# KiCad board cpu2.kicad_pcb (continued)
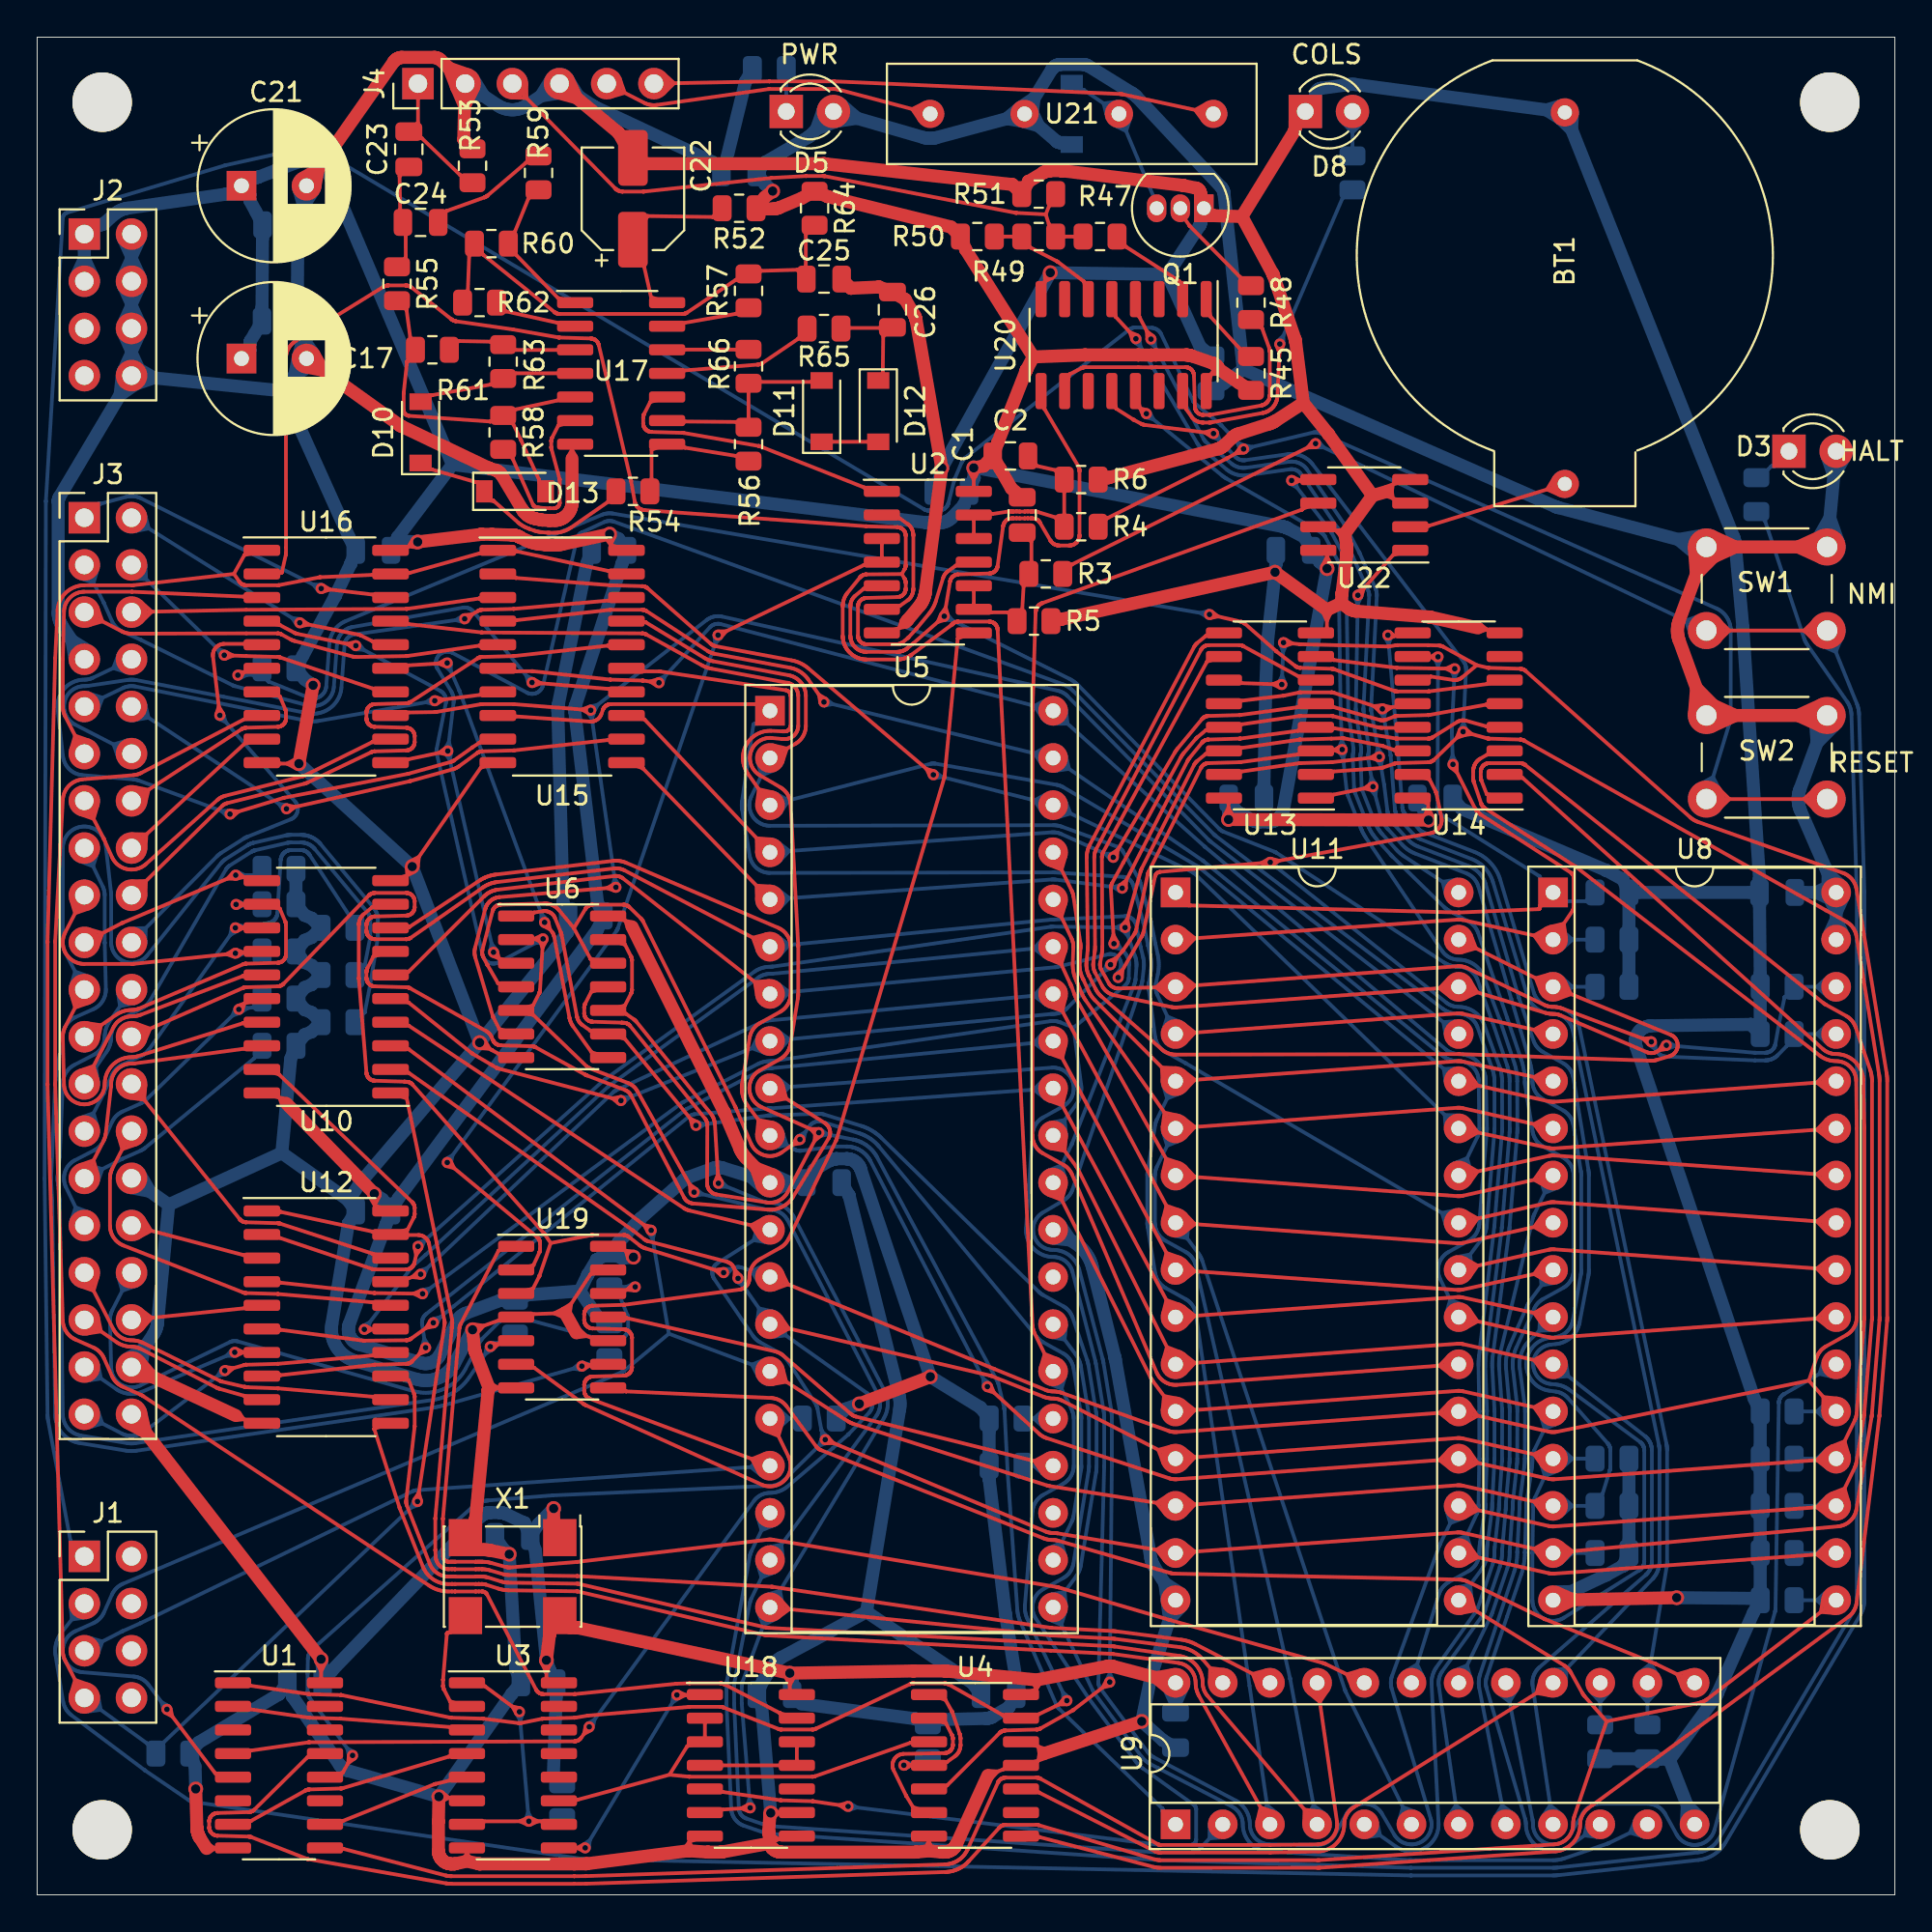
[diagram p0: board, top side]
## Routing (per net, layer and track width the routed paths; a pad name or vN(x,y) marks a point on that pad's centre or on a via; arc(x,y) is an arc through that point) (continued)
D1: length 225.2
  Top w0.2: U13.1 69.8,59.23 v2(71.91,59.65) ; U8.14 76.76,22.02 76.72,22.03 76.68,22.04 76.64,22.04 76.6,22.05 76.56,22.05 76.52,22.05 76.48,22.05 76.44,22.05 U11.14 54.52,22 54.49,22.01 54.46,22.01 54.43,22.02 54.41,22.03 54.38,22.03 54.35,22.04 43.92,25.36 ; 32.88,35.67 32.67,36.06 33.1,35.97 ; 6.89,9.81 7.28,9.6 7.18,10.03 ; 59.22,83.95 58.82,84.12 58.96,83.7 ; v2(59.15,83.77) 58.07,84.93 58.06,84.94 U20.5 ; 60.73,20.5 60.25,21.1 60.89,21.52 ; v2(33.05,35.77) 20.01,45.51 20,45.52 U10.3 ; 43.92,25.36 43.88,25.38 43.84,25.39 43.8,25.41 43.76,25.43 43.73,25.44 43.69,25.47 43.65,25.49 U5.15 ; 71.86,59.46 71.44,59.56 71.79,59.82 ; 81.03,20.54 80.59,21.17 81.25,21.55 ; 61.71,21.49 62.32,21.02 61.79,20.46 ; U1.5 9.58,6.55 9.58,6.55 v2(6.99,9.99) ; 39.57,27.49 40.32,27.62 40.12,28.36
  Bottom w0.2: 34,30.21 31.61,28.22 31.59,28.21 31.55,28.18 31.52,28.16 31.51,28.16 31.46,28.13 4.63,16.75 4.57,16.72 4.52,16.7 4.47,16.67 4.42,16.64 4.38,16.6 4.33,16.57 4.29,16.53 4.25,16.49 4.21,16.44 4.17,16.4 4.14,16.35 4.1,16.31 4.07,16.26 4.05,16.2 4.02,16.15 3.6,15.21 3.57,15.15 3.54,15.1 3.51,15.05 3.48,15 3.44,14.95 3.4,14.9 3.36,14.86 3.32,14.82 3.27,14.78 3.22,14.74 3.17,14.71 3.12,14.68 3.07,14.65 3.01,14.62 2.07,14.2 2,14.17 1.94,14.13 1.88,14.1 1.82,14.05 1.77,14.01 1.72,13.96 1.67,13.91 1.62,13.85 1.58,13.79 1.54,13.73 1.51,13.67 1.48,13.61 1.45,13.54 1.43,13.47 1.41,13.41 1.4,13.34 1.39,13.27 1.38,13.19 1.38,13.12 1.38,13.05 1.39,12.98 1.4,12.91 1.42,12.84 1.44,12.77 1.46,12.71 1.49,12.64 1.53,12.58 1.56,12.52 1.6,12.46 1.65,12.4 1.69,12.35 1.74,12.3 1.8,12.25 1.85,12.21 1.91,12.17 1.97,12.13 2.03,12.1 2.1,12.07 2.17,12.04 2.23,12.02 2.3,12 2.37,11.99 2.44,11.98 5.18,11.76 5.24,11.75 5.3,11.74 5.36,11.73 5.42,11.71 5.48,11.69 5.53,11.67 5.59,11.64 5.64,11.61 5.7,11.58 5.75,11.55 5.8,11.51 5.84,11.47 5.89,11.43 5.93,11.39 5.97,11.34 6.01,11.29 v2(6.99,9.99) ; 34,30.21 v2(33.05,35.77) ; 34,30.21 U5.15 ; 71.71,59.71 71.83,60.13 72.07,59.77 ; 59.35,83.79 59.39,83.35 59.03,83.6 ; 72.1,59.62 72.03,59.19 71.75,59.53 ; v2(59.15,83.77) 62.44,78.15 62.46,78.11 62.48,78.08 62.51,78.05 62.53,78.02 62.56,77.99 62.58,77.96 62.61,77.94 62.64,77.91 62.66,77.88 64.02,76.74 64.08,76.69 64.14,76.65 64.2,76.61 64.27,76.57 64.33,76.54 64.4,76.51 64.47,76.48 64.54,76.46 64.62,76.44 64.69,76.42 64.77,76.41 64.84,76.41 64.92,76.4 64.99,76.4 65.07,76.41 65.14,76.42 67.44,76.74 67.47,76.74 67.51,76.75 67.54,76.75 67.58,76.74 67.61,76.74 67.64,76.73 67.68,76.73 67.71,76.72 67.74,76.71 67.77,76.69 67.8,76.68 67.83,76.66 67.86,76.65 67.89,76.63 67.92,76.6 67.94,76.58 67.97,76.56 67.99,76.53 68.01,76.51 68.03,76.48 69.98,73.61 70,73.59 70.01,73.57 70.02,73.55 70.03,73.53 70.05,73.51 70.79,72.11 70.8,72.09 70.82,72.04 70.83,72.02 71.65,70.21 71.66,70.18 71.67,70.16 71.68,70.13 71.69,70.11 71.69,70.08 71.7,70.06 71.7,70.03 71.7,70 71.7,69.98 71.7,69.95 71.7,69.93 71.4,63.89 71.39,63.86 71.39,63.82 71.4,63.79 71.4,63.76 71.4,63.73 71.4,63.69 71.67,61.85 71.67,61.8 71.68,61.74 71.68,61.68 71.68,61.62 71.68,61.56 71.67,61.51 71.67,61.45 71.66,61.39 71.65,61.35 71.65,61.33 71.64,61.3 71.64,61.28 71.64,61.25 71.64,61.23 71.65,61.21 71.65,61.18 71.65,61.16 v2(71.91,59.65) 72.32,58.1 72.33,58.08 72.34,58.04 72.35,57.99 72.37,57.95 72.38,57.91 72.4,57.87 72.42,57.83 72.44,57.79 72.46,57.75 72.48,57.71 72.5,57.67 72.52,57.63 72.54,57.59 72.57,57.56 72.6,57.52 72.62,57.49 72.64,57.46 72.67,57.43 72.69,57.4 72.72,57.37 73.46,56.55 73.52,56.48 73.59,56.42 73.66,56.36 73.73,56.31 73.8,56.25 73.88,56.2 73.95,56.16 74.03,56.12 74.12,56.08 74.2,56.04 76.92,55 76.97,54.97 77.03,54.95 77.08,54.92 77.13,54.89 77.18,54.85 77.23,54.81 77.27,54.78 77.32,54.73 77.36,54.69 77.4,54.64 77.43,54.59 77.46,54.54 77.49,54.49 77.52,54.44 77.55,54.38 77.57,54.33 77.59,54.27 79.35,48.22 79.36,48.22 80.33,44.93 80.37,44.79 80.4,44.65 80.43,44.51 80.45,44.37 80.47,44.23 80.48,44.09 80.49,43.94 80.49,43.8 80.49,43.74 80.5,43.68 80.51,43.61 80.52,43.55 80.53,43.49 80.55,43.43 80.58,43.38 80.6,43.32 80.63,43.27 80.66,43.21 80.69,43.16 80.73,43.11 80.77,43.06 80.81,43.02 80.86,42.98 80.91,42.93 80.96,42.9 81.01,42.86 81.06,42.83 82.14,42.23 82.19,42.2 82.24,42.17 82.29,42.13 82.33,42.09 82.38,42.05 82.42,42.01 82.45,41.97 82.49,41.92 82.52,41.87 82.56,41.82 82.58,41.77 82.61,41.72 82.63,41.67 82.65,41.61 82.67,41.55 82.68,41.5 82.7,41.44 83.1,38.97 83.11,38.92 83.11,38.88 83.12,38.84 83.12,38.8 83.12,38.76 83.12,38.72 83.12,33.64 83.12,33.6 83.12,33.55 83.11,33.51 83.11,33.46 83.1,33.42 83.1,33.38 82.66,30.91 82.65,30.85 82.64,30.79 82.62,30.73 82.59,30.68 82.57,30.62 82.54,30.57 82.51,30.51 82.47,30.46 82.43,30.41 82.39,30.37 82.35,30.32 82.3,30.28 82.26,30.24 82.21,30.21 82.15,30.17 82.1,30.14 82.04,30.12 81.99,30.09 81.93,30.07 81.87,30.05 81.81,30.04 81.75,30.03 81.4,29.98 81.31,29.97 81.23,29.95 81.14,29.92 81.06,29.89 80.98,29.85 80.9,29.81 80.82,29.77 80.75,29.72 80.68,29.66 80.61,29.6 80.55,29.54 80.49,29.47 80.43,29.4 80.38,29.32 80.34,29.25 80.3,29.17 80.26,29.08 80.23,29 80.21,28.91 80.19,28.83 80.18,28.74 80.17,28.65 80.16,28.56 80.17,28.47 80.18,28.38 80.19,28.29 80.21,28.21 80.23,28.12 80.26,28.04 80.3,27.95 80.34,27.87 80.38,27.8 80.43,27.72 80.49,27.65 80.55,27.58 80.61,27.52 80.68,27.46 80.75,27.4 80.82,27.35 80.9,27.31 80.98,27.27 81.06,27.23 81.14,27.2 81.23,27.17 81.31,27.15 81.4,27.14 81.75,27.09 81.8,27.08 81.86,27.07 81.91,27.05 81.96,27.04 82.01,27.02 82.06,27 82.11,26.97 82.16,26.94 82.21,26.91 82.25,26.88 82.29,26.85 82.34,26.81 82.37,26.77 82.41,26.73 84.55,24.3 84.57,24.27 84.6,24.23 84.62,24.2 84.62,24.19 84.65,24.14 84.66,24.11 84.66,24.1 84.67,24.05 84.68,24.02 84.68,24 84.69,23.95 84.69,23.93 84.69,23.03 84.68,23 84.68,22.95 84.68,22.92 84.67,22.91 84.66,22.85 84.27,21.6 84.27,21.59 R30.1 U8.14 ; 7.08,10.16 6.7,10.37 6.79,9.94 ; 38.83,27.86 38.47,28.54 39.19,28.83 ; 82.07,21.46 82.64,20.94 82.07,20.42 ; 33.25,35.72 33.13,35.3 32.89,35.66
D2: length 251.6
  Top w0.2: 38.87,35.4 38.44,36.04 39.11,36.41 ; 61.71,18.95 62.32,18.48 61.79,17.92 ; 42.43,24.3 42.87,24.32 42.57,24.64 ; 80.03,62.14 80.05,62.13 96.3,52.99 96.3,52.99 97.38,52.39 97.43,52.36 97.48,52.33 97.53,52.29 97.57,52.26 97.61,52.22 97.66,52.17 97.69,52.13 97.73,52.08 97.76,52.03 97.8,51.98 97.82,51.93 97.85,51.88 97.87,51.83 97.89,51.77 97.91,51.71 97.92,51.66 97.94,51.6 99.15,44.18 99.16,44.12 99.17,44.05 99.17,43.99 99.18,43.93 99.18,43.86 99.18,43.8 99.18,31.1 99.18,31.06 99.18,31.02 99.18,30.99 99.18,30.95 99.17,30.91 98.76,25.86 98.76,25.83 98.76,25.8 98.75,25.77 98.75,25.74 98.75,25.71 97.94,20.76 97.92,20.7 97.91,20.64 97.89,20.58 97.87,20.52 97.84,20.46 97.81,20.4 97.78,20.35 97.74,20.3 97.71,20.24 97.66,20.2 97.62,20.15 97.57,20.11 97.53,20.07 97.47,20.03 97.42,19.99 97.37,19.96 97.31,19.93 97.25,19.91 97.19,19.89 97.13,19.87 97.07,19.85 97.01,19.84 96.94,19.83 U8.15 76.76,19.48 76.72,19.49 76.68,19.5 76.64,19.5 76.6,19.51 76.56,19.51 76.52,19.51 76.48,19.51 76.44,19.51 U11.15 54.93,19.46 54.89,19.47 54.85,19.47 54.81,19.47 54.77,19.48 54.73,19.48 54.69,19.48 54.64,19.48 54.59,19.48 54.55,19.49 54.5,19.5 54.45,19.5 54.41,19.52 54.36,19.53 54.32,19.54 54.27,19.56 v2(42.42,24.5) ; 76.83,62.43 76.41,62.28 76.57,62.69 ; 39.45,35.8 35.13,36.83 35.09,36.84 35.05,36.85 35.01,36.87 34.98,36.88 34.94,36.9 34.9,36.91 34.87,36.93 34.83,36.95 34.8,36.97 20.01,46.78 20,46.79 U10.4 ; v2(63.32,78.66) 59.64,79.12 59.61,79.13 59.59,79.13 59.56,79.14 59.54,79.14 59.52,79.15 59.49,79.16 59.47,79.17 59.45,79.18 59.42,79.19 59.05,79.39 59.02,79.41 59,79.42 58.09,80 58.09,80 U20.12 ; 17.09,7.34 16.74,7.09 16.78,7.52 ; 82.02,18.96 82.64,18.5 82.12,17.93 ; 60.73,17.97 60.25,18.57 60.9,18.99 ; 81.25,19.01 80.59,18.63 81.03,18 ; v2(16.98,7.5) 16.45,6.58 16.44,6.57 U1.12 ; 76.79,62.42 77.22,62.49 76.89,62.77 ; U13.2 69.81,60.47 72.3,60.65 72.32,60.66 72.34,60.66 72.36,60.66 72.39,60.67 72.41,60.67 72.43,60.68 72.45,60.68 73.07,60.9 73.09,60.9 73.12,60.91 73.15,60.91 73.2,60.92 73.21,60.92 74.88,60.97 74.9,60.97 74.93,60.97 74.96,60.98 74.98,60.98 75.01,60.99 75.04,61 75.05,61.01 75.08,61.02 75.11,61.04 75.12,61.05 75.15,61.07 75.17,61.08 75.18,61.09 v2(76.76,62.62) 78.04,62.26 78.07,62.25 78.1,62.24 78.12,62.24 78.16,62.24 79.83,62.19 79.87,62.19 79.9,62.18 79.93,62.18 79.96,62.17 79.99,62.16 80.03,62.14 ; 63.22,78.49 62.85,78.72 63.26,78.85
  Bottom w0.2: 17.07,7.68 16.69,7.89 16.78,7.46 ; 39.33,35.11 38.57,35.24 38.77,35.98 ; v2(16.98,7.5) 14.68,10.59 14.64,10.64 14.63,10.67 14.62,10.68 14.6,10.73 14.59,10.76 14.58,10.77 14.57,10.83 14.56,10.85 14.56,10.87 14.56,10.92 14.56,10.94 14.56,11.89 14.56,11.9 14.57,12.7 14.58,12.74 14.58,12.77 14.58,12.81 14.59,12.85 14.6,12.88 14.61,12.92 14.62,12.95 14.64,12.98 14.66,13.02 14.67,13.05 14.69,13.08 14.71,13.11 14.74,13.14 14.76,13.16 14.79,13.19 14.81,13.22 23.42,20.87 23.44,20.89 23.46,20.9 23.48,20.92 23.51,20.94 23.57,20.98 23.6,21 23.63,21.02 23.66,21.04 23.69,21.05 23.72,21.07 23.75,21.09 23.8,21.11 23.83,21.12 23.86,21.13 23.89,21.15 23.92,21.16 23.96,21.17 23.99,21.18 24.04,21.19 24.07,21.2 24.1,21.21 24.14,21.21 24.17,21.22 24.2,21.22 24.24,21.23 24.3,21.23 27.75,21.5 27.77,21.51 39.38,22.02 39.43,22.02 39.45,22.02 39.5,22.02 39.56,22.02 39.62,22.03 39.67,22.04 39.73,22.05 39.78,22.07 39.83,22.09 39.88,22.11 39.93,22.13 39.98,22.16 40.03,22.19 40.08,22.22 40.12,22.25 40.16,22.29 40.21,22.33 v2(42.42,24.5) 42.23,24.99 42.22,25.02 42.2,25.08 42.2,25.09 42.01,26.19 42,26.21 41.99,26.26 41.98,26.29 41.97,26.31 41.95,26.35 41.93,26.38 41.93,26.38 40.38,28.78 40.35,28.82 40.32,28.86 40.29,28.9 40.26,28.94 40.23,28.97 40.19,29.01 40.15,29.04 40.11,29.07 40.07,29.1 40.03,29.12 39.99,29.15 38.91,29.75 38.87,29.77 38.82,29.8 38.78,29.83 38.74,29.87 38.7,29.9 38.66,29.94 38.63,29.97 38.59,30.01 38.56,30.05 38.53,30.09 36.45,33.15 36.43,33.18 36.41,33.21 36.4,33.24 36.38,33.28 36.37,33.31 36.36,33.34 36.36,33.38 36.35,33.41 36.35,33.44 36.34,33.48 36.34,33.51 36.35,33.55 36.35,33.58 36.36,33.62 36.36,33.65 36.37,33.69 36.39,33.72 36.4,33.75 36.42,33.78 36.43,33.81 36.45,33.84 36.47,33.87 36.49,33.9 36.52,33.92 36.54,33.95 36.57,33.97 36.6,33.99 36.63,34.01 39.45,35.8 ; 63.25,78.48 63.65,78.31 63.51,78.73 ; 42.49,24.32 42.08,24.17 42.24,24.58 ; v2(63.32,78.66) 64.5,77.41 64.52,77.39 64.54,77.37 64.57,77.35 64.59,77.33 64.62,77.31 64.65,77.3 64.68,77.28 64.71,77.27 64.74,77.26 64.77,77.25 64.8,77.24 64.83,77.23 64.86,77.23 64.9,77.22 64.93,77.22 64.96,77.22 64.99,77.22 65.03,77.23 67.33,77.55 67.41,77.56 67.48,77.57 67.56,77.57 67.64,77.56 67.72,77.55 67.8,77.54 67.88,77.52 67.96,77.5 68.03,77.47 68.1,77.44 68.18,77.41 68.25,77.37 68.31,77.33 68.38,77.28 68.44,77.23 68.5,77.18 68.56,77.13 68.61,77.07 68.66,77 76.79,66.37 76.81,66.35 76.83,66.32 76.84,66.3 76.86,66.27 76.87,66.24 76.88,66.21 76.89,66.18 76.9,66.15 76.91,66.12 76.91,66.09 76.92,66.06 76.92,66.03 76.92,66 76.92,65.97 v2(76.76,62.62) ; 76.95,62.69 76.78,63.09 76.58,62.71 ; 42.22,24.51 42.24,24.95 42.56,24.65 ; 82.07,17.88 82.64,18.4 82.07,18.92 ; U8.15 R31.1
D3: length 269.6
  Top w0.2: 31.39,42.95 30.96,42.88 31.3,42.6 ; 57.7,50.26 58.1,50.43 57.97,50.01 ; U1.13 14.53,7.39 14.53,7.39 11.68,4.58 11.67,4.56 11.64,4.55 11.62,4.53 11.59,4.51 11.58,4.5 11.54,4.49 11.52,4.48 11.5,4.47 11.47,4.46 11.44,4.46 11.42,4.46 11.38,4.45 9.71,4.41 9.67,4.4 9.64,4.4 9.61,4.39 9.58,4.38 9.55,4.38 9.51,4.36 9.49,4.34 9.47,4.33 9.44,4.31 9.42,4.29 9.39,4.27 9.37,4.25 9.36,4.23 9.33,4.19 9.32,4.17 9.3,4.13 9.29,4.1 9.28,4.08 9.27,4.04 9.26,4.02 9.26,3.97 9.26,3.94 9.26,3.64 9.26,3.62 9.26,3.58 9.27,3.56 9.27,3.54 9.28,3.5 9.29,3.48 9.31,3.44 9.32,3.41 9.34,3.39 9.36,3.36 9.37,3.34 9.39,3.33 9.41,3.3 9.43,3.29 9.44,3.28 9.47,3.26 9.5,3.24 9.51,3.23 9.55,3.22 9.57,3.21 9.59,3.2 9.62,3.19 9.65,3.19 9.67,3.19 9.71,3.18 11.38,3.14 11.42,3.13 11.45,3.13 11.48,3.12 11.51,3.11 11.53,3.11 14.51,1.94 14.53,1.94 14.57,1.92 14.59,1.92 22,0.62 22.03,0.62 22.06,0.61 22.09,0.61 22.11,0.61 22.17,0.6 22.2,0.6 22.23,0.6 22.25,0.6 22.28,0.59 22.31,0.59 28.91,0.59 29.52,0.6 29.57,0.6 48.89,1.23 48.93,1.23 48.98,1.24 49,1.24 49.05,1.24 49.1,1.25 49.14,1.26 49.19,1.27 49.24,1.28 49.28,1.29 49.31,1.29 49.35,1.31 49.4,1.32 49.44,1.34 49.49,1.35 49.53,1.37 49.58,1.39 49.6,1.4 49.64,1.42 49.68,1.45 49.73,1.47 49.77,1.49 49.81,1.52 49.85,1.55 49.87,1.56 49.91,1.59 49.94,1.62 49.98,1.65 50.02,1.68 50.05,1.71 50.08,1.74 50.12,1.77 50.14,1.8 50.16,1.82 51.79,3.62 51.83,3.65 51.85,3.67 51.87,3.69 51.9,3.7 51.92,3.72 51.95,3.73 ; 69.03,1.87 81.67,2.72 81.73,2.72 81.8,2.73 81.86,2.75 81.92,2.76 81.98,2.78 82.03,2.81 82.09,2.83 82.15,2.86 82.2,2.9 82.25,2.93 82.3,2.97 82.34,3.01 82.39,3.06 82.43,3.1 82.47,3.15 82.5,3.2 82.54,3.26 82.57,3.31 82.59,3.37 82.62,3.43 82.64,3.49 82.65,3.55 82.66,3.61 82.67,3.67 82.68,3.73 82.68,3.8 82.68,3.85 82.68,3.91 82.69,3.97 82.7,4.03 82.71,4.09 82.72,4.15 82.74,4.21 82.76,4.26 84.48,9.34 ; 59.38,80.02 v2(59.71,79.73) ; 59.38,80.02 59.76,79.92 ; 59.38,80.02 59.53,79.65 ; 59.38,80.02 59.12,80.95 ; v2(31.43,42.76) 24.86,44.47 24.82,44.48 24.79,44.49 24.78,44.5 24.74,44.52 24.73,44.52 24.47,44.67 23.46,45.26 23.43,45.28 23.4,45.3 23.38,45.32 20,48.03 20,48.03 U10.5 ; v2(57.78,50.07) 58.42,50.8 58.44,50.82 58.46,50.84 58.47,50.85 59.06,51.73 59.08,51.75 59.09,51.77 59.11,51.79 59.12,51.82 59.13,51.84 59.14,51.87 59.15,51.89 59.15,51.92 59.16,51.95 59.77,54.91 59.78,54.93 59.79,54.96 59.8,54.98 59.8,55.01 59.81,55.04 59.83,55.06 59.84,55.08 62.65,60.67 62.67,60.7 62.69,60.74 62.71,60.76 62.72,60.77 62.75,60.8 62.77,60.82 62.8,60.84 62.82,60.85 62.84,60.87 62.89,60.89 62.91,60.9 62.93,60.9 62.96,60.91 62.99,60.91 63.04,60.92 63.05,60.92 64.72,60.97 64.74,60.97 64.78,60.97 67.86,61.39 67.87,61.39 U13.3 69.71,61.63 69.82,61.63 ; U11.17 82.18,12.36 82.23,12.33 82.27,12.3 82.31,12.27 82.35,12.24 82.38,12.2 82.42,12.16 82.45,12.12 82.49,12.08 82.52,12.04 82.54,12 82.57,11.95 83.17,10.88 83.19,10.85 83.2,10.82 83.22,10.79 83.24,10.76 83.26,10.74 83.28,10.71 83.31,10.68 ; 84.48,9.34 89.44,10.33 89.49,10.34 89.54,10.35 89.58,10.37 89.63,10.38 89.68,10.4 89.72,10.43 89.77,10.45 89.81,10.48 89.85,10.5 89.9,10.53 U8.17 ; 84.48,9.34 83.31,10.68 ; 76.65,15.17 77.4,15.31 77.19,16.05 ; 96.78,15.16 96.01,15.23 96.15,15.98 ; 69.03,1.87 68.98,1.87 68.93,1.86 68.9,1.86 60.48,1.86 60.44,1.87 60.4,1.87 60.36,1.87 60.32,1.88 60.28,1.88 60.24,1.89 60.2,1.9 60.16,1.91 53.92,3.75 53.88,3.76 53.86,3.77 53.81,3.77 53.78,3.77 52.14,3.77 52.11,3.77 52.07,3.77 52.05,3.76 52.03,3.76 51.99,3.75 51.97,3.74 51.95,3.73 ; 69.82,61.63 v2(70.25,61.65) ; 69.82,61.63 70.15,61.83 ; 69.82,61.63 70.17,61.47
  Bottom w0.2: v2(31.43,42.76) U5.8 54.55,47.41 54.58,47.41 54.6,47.42 54.63,47.42 54.66,47.42 54.69,47.42 54.75,47.42 54.8,47.42 54.86,47.43 54.91,47.44 54.97,47.46 55.02,47.47 55.08,47.49 55.13,47.51 55.18,47.54 55.23,47.56 55.28,47.59 55.33,47.63 55.37,47.66 55.41,47.7 55.45,47.74 v2(57.78,50.07) ; 59.89,79.82 60.08,79.43 59.66,79.54 ; 70.43,61.74 70.23,62.13 70.07,61.73 ; 39.2,45.3 38.48,45.57 38.82,46.27 ; 39.97,45.49 40.48,46.06 39.87,46.52 ; R32.1 U8.17 ; 57.85,49.89 57.44,49.73 57.59,50.14 ; 31.57,42.62 31.87,42.93 31.44,42.96 ; 76.39,16.55 77.14,16.69 77.22,15.93 ; U11.17 77.74,17.49 77.78,17.55 77.82,17.62 77.86,17.68 77.89,17.75 77.92,17.82 77.95,17.89 77.97,17.96 77.99,18.03 78.01,18.1 78.02,18.18 78.03,18.25 78.04,18.33 78.04,18.4 78.04,18.49 78.04,18.58 78.05,18.68 78.06,18.77 78.07,18.86 78.31,20.71 78.31,20.75 78.32,20.8 78.32,20.85 78.32,20.89 78.32,20.94 78.32,20.98 78.33,21.02 78.33,21.07 78.33,21.11 78.44,23.38 78.45,23.43 78.45,23.48 78.45,26.02 78.45,26.07 78.45,26.12 78.33,28.39 78.32,28.49 78.32,28.59 78.33,28.69 78.33,28.79 78.34,28.89 78.35,28.99 79.25,35.82 79.25,35.86 79.26,35.89 79.26,35.92 79.26,35.96 79.67,41 79.67,41.06 79.68,41.11 79.68,41.16 79.68,41.22 79.68,41.27 79.67,43.79 79.67,43.8 79.67,43.93 79.66,44.06 79.65,44.18 79.63,44.31 79.61,44.44 79.58,44.56 79.55,44.69 79.51,44.81 78.74,47.09 78.72,47.14 78.72,47.15 77.89,49.39 77.86,49.46 77.83,49.53 77.79,49.61 77.75,49.67 77.7,49.74 77.65,49.8 77.6,49.87 77.54,49.92 77.48,49.98 77.42,50.03 77.35,50.08 77.29,50.12 77.22,50.16 77.15,50.2 77.07,50.23 77,50.26 76.92,50.28 76.84,50.3 76.76,50.32 76.68,50.33 76.6,50.34 76.46,50.34 76.4,50.35 76.34,50.35 76.29,50.37 76.23,50.38 76.17,50.4 76.12,50.42 76.07,50.44 76.01,50.47 75.96,50.5 75.91,50.53 75.86,50.56 75.82,50.6 75.78,50.64 75.73,50.68 75.69,50.72 75.66,50.77 75.62,50.82 71.53,56.89 71.5,56.95 71.46,57.01 71.42,57.08 71.39,57.14 71.35,57.2 71.32,57.27 71.3,57.31 71.28,57.35 71.27,57.39 71.25,57.42 71.24,57.46 70.58,59.13 70.56,59.17 70.55,59.22 70.53,59.26 70.52,59.31 70.51,59.36 70.5,59.4 70.49,59.45 70.49,59.5 v2(70.25,61.65) 70.17,63.75 70.16,63.8 70.07,69.94 70.07,69.98 70.08,70.01 70.15,71.35 70.15,71.39 70.15,71.42 70.14,71.45 70.14,71.48 70.14,71.51 70.13,71.55 70.12,71.58 70.11,71.61 70.1,71.64 70.09,71.67 70.08,71.7 70.06,71.72 69.32,73.12 69.31,73.15 69.27,73.2 69.25,73.22 69.24,73.23 69.2,73.27 69.18,73.29 69.17,73.3 69.12,73.33 69.11,73.34 64.03,76.23 63.99,76.26 63.94,76.29 63.9,76.32 63.86,76.34 63.82,76.38 63.78,76.41 v2(59.71,79.73) ; 70.44,61.59 70.3,61.18 70.08,61.55 ; 96.37,16.38 95.8,15.86 96.37,15.34
D4: length 149.6
  Top w0.2: 66.31,55.39 65.9,55.54 66.28,55.76 ; 39.4,49.2 38.63,49.14 38.76,48.38 ; U11.18 81.36,17.32 81.4,17.31 81.44,17.3 81.48,17.3 81.52,17.29 81.56,17.29 81.6,17.29 81.64,17.29 81.68,17.29 U8.18 ; 96.41,17.85 95.8,18.32 96.33,18.88 ; 58.39,49.36 58.43,49.8 58.07,49.54 ; v2(58.19,49.38) 59.45,51.56 59.47,51.6 59.48,51.63 59.5,51.67 59.52,51.71 59.53,51.75 59.54,51.78 59.55,51.82 59.56,51.86 60.18,54.82 60.18,54.84 60.19,54.86 60.19,54.87 60.2,54.89 60.21,54.9 60.21,54.92 60.22,54.93 60.23,54.95 60.24,54.96 60.26,54.97 60.27,54.99 60.28,55 60.29,55.01 60.31,55.02 60.32,55.03 60.34,55.04 60.35,55.04 60.37,55.05 60.39,55.06 60.4,55.06 60.42,55.06 60.44,55.07 60.45,55.07 v2(66.38,55.58) 75.02,57.16 75.06,57.17 75.11,57.18 75.15,57.19 75.18,57.21 75.22,57.22 75.26,57.24 75.29,57.27 75.33,57.29 75.36,57.32 75.39,57.35 75.42,57.38 75.45,57.41 75.47,57.44 75.5,57.48 75.52,57.51 75.54,57.55 75.55,57.59 75.57,57.63 75.58,57.67 75.59,57.71 75.6,57.75 75.6,57.79 75.61,57.83 75.61,57.88 75.6,57.92 75.6,57.96 75.59,58 75.32,59.28 75.32,59.3 75.31,59.33 75.3,59.36 75.29,59.37 75.28,59.41 74.96,60.04 74.96,60.04 U14.15 ; 77.09,18.8 77.53,18.17 76.87,17.79 ; U5.7 31.53,54.72 31.51,54.74 31.48,54.75 31.45,54.77 31.42,54.79 31.4,54.8 31.37,54.81 31.34,54.82 31.3,54.83 31.27,54.84 31.24,54.84 31.21,54.85 31.18,54.85 31.15,54.85 31.12,54.85 31.08,54.84 24.8,54.11 24.78,54.11 24.75,54.1 24.72,54.1 24.69,54.09 24.67,54.09 24.62,54.07 24.59,54.06 24.55,54.05 24.52,54.04 24.49,54.03 24.46,54.02 24.42,54 24.38,53.98 24.35,53.96 24.32,53.95 24.29,53.93 24.27,53.92 24.22,53.88 24.18,53.86 24.16,53.84 24.14,53.82 24.11,53.8 24.09,53.78 24.06,53.75 20.01,49.71 20,49.7 U10.6 ; 66.43,55.78 66.85,55.67 66.49,55.42
  Bottom w0.2: 58.39,49.41 58.31,49.84 58.03,49.51 ; v2(58.19,49.38) 58.33,49.93 58.34,49.96 58.35,49.99 58.35,50.03 58.35,50.06 58.35,50.1 58.35,50.13 58.34,50.16 58.34,50.2 58.33,50.23 58.32,50.26 58.31,50.29 58.29,50.32 58.28,50.35 58.26,50.38 58.24,50.41 58.22,50.44 58.2,50.46 58.17,50.49 58.15,50.51 58.12,50.53 58.1,50.55 58.07,50.57 58.04,50.58 58.01,50.6 57.98,50.61 57.94,50.62 57.91,50.63 57.88,50.64 57.84,50.64 57.81,50.64 57.78,50.64 57.74,50.64 57.71,50.64 57.68,50.63 57.64,50.63 ; U11.18 77.49,20.49 77.51,20.53 77.52,20.58 77.54,20.62 77.55,20.67 77.56,20.71 77.57,20.76 77.58,20.8 77.58,20.85 77.59,20.89 77.59,20.94 77.59,21.01 77.63,23.46 77.63,23.48 77.63,26.02 77.63,26.04 77.59,28.49 77.59,28.58 77.59,28.67 77.59,28.76 77.6,28.85 77.61,28.94 77.62,29.03 78.44,35.95 78.44,36.01 78.44,36.02 78.85,41.07 78.86,41.11 78.86,41.15 78.86,41.19 78.86,41.23 78.86,41.26 78.86,43.79 78.85,43.89 78.85,43.98 78.84,44.07 78.83,44.16 78.81,44.25 78.79,44.34 78.77,44.43 78.74,44.52 78.71,44.61 77.89,46.84 77.86,46.92 77.83,46.99 77.79,47.06 77.75,47.13 77.7,47.2 77.65,47.26 77.6,47.32 77.54,47.38 77.48,47.44 77.42,47.49 77.36,47.54 77.29,47.58 77.22,47.62 77.15,47.66 77.07,47.69 77,47.72 76.92,47.74 76.84,47.76 76.76,47.78 76.68,47.79 76.6,47.8 76.52,47.8 76.47,47.8 76.42,47.81 76.36,47.81 76.31,47.82 76.26,47.83 76.21,47.84 76.16,47.86 76.11,47.88 76.07,47.9 76.02,47.92 75.98,47.95 75.93,47.97 75.89,48 75.85,48.04 v2(66.38,55.58) ; U5.7 54.79,49.93 54.82,49.94 54.85,49.94 54.87,49.94 54.9,49.95 54.93,49.96 54.96,49.96 57.64,50.63 ; 39.87,49.06 40.48,48.6 39.97,48.03 ; 77.19,18.61 76.96,19.34 76.25,19.05 ; R33.1 U8.18 ; 66.33,55.39 66.75,55.28 66.56,55.67 ; 96.37,17.88 95.8,18.4 96.37,18.92
D5: length 220.9
  Top w0.2: 80.03,60.87 79.99,60.89 79.97,60.9 79.95,60.9 79.92,60.91 79.89,60.92 79.84,60.92 79.82,60.92 78.17,60.92 78.14,60.92 78.11,60.92 78.08,60.91 78.06,60.91 78.03,60.9 78,60.89 77.96,60.87 77.94,60.86 77.92,60.85 77.89,60.82 77.87,60.81 77.84,60.78 77.82,60.76 77.81,60.74 77.78,60.71 77.77,60.68 77.76,60.67 ; 80.03,60.87 80.05,60.86 80.07,60.84 80.11,60.82 96.15,48.01 96.17,47.99 96.2,47.98 96.22,47.96 96.25,47.94 96.27,47.92 96.3,47.91 97.38,47.31 97.43,47.28 97.47,47.25 97.52,47.22 97.56,47.19 97.6,47.15 97.64,47.11 97.67,47.07 97.71,47.03 97.74,46.99 97.77,46.94 97.8,46.9 97.83,46.85 97.85,46.8 97.87,46.75 97.89,46.7 98.67,44.42 98.69,44.35 98.71,44.27 98.73,44.19 98.74,44.12 98.76,44.04 98.76,43.96 98.77,43.88 98.77,43.8 98.77,31.1 98.77,31.07 98.77,31.04 98.77,31.01 98.77,30.98 98.76,30.94 98.36,25.9 98.35,25.87 98.35,25.82 98.34,25.77 97.94,23.3 97.93,23.26 97.92,23.22 97.91,23.18 97.9,23.14 97.89,23.11 97.87,23.07 97.86,23.03 97.84,22.99 U8.19 81.68,19.83 81.64,19.83 81.6,19.83 81.56,19.83 81.52,19.83 81.48,19.84 81.44,19.84 81.4,19.85 81.36,19.86 U11.19 ; 76.87,20.33 77.53,20.71 77.09,21.34 ; 40.12,43.6 40.33,42.86 39.57,42.73 ; 26.82,45.63 26.84,45.62 29.49,44.16 29.52,44.14 29.56,44.12 29.6,44.11 31.64,43.33 31.67,43.31 31.7,43.3 31.73,43.29 31.76,43.27 31.78,43.25 31.81,43.23 31.83,43.21 31.85,43.19 31.88,43.17 31.9,43.14 31.92,43.12 31.94,43.09 31.95,43.06 31.97,43.04 34.82,37.54 34.84,37.51 34.86,37.49 34.87,37.46 34.89,37.43 34.92,37.41 34.94,37.39 34.96,37.36 34.99,37.34 35.01,37.32 35.04,37.31 35.07,37.29 35.1,37.28 35.13,37.26 35.16,37.25 35.19,37.24 35.22,37.23 35.25,37.22 35.28,37.22 35.31,37.22 39.33,36.88 39.41,36.88 39.49,36.88 39.57,36.88 39.65,36.89 39.73,36.91 39.81,36.92 39.89,36.95 39.96,36.97 40.04,37 40.11,37.04 40.18,37.08 40.25,37.12 40.32,37.17 40.38,37.22 40.44,37.27 40.5,37.33 40.55,37.39 40.61,37.45 40.65,37.51 40.7,37.58 42.6,40.71 42.62,40.74 42.63,40.77 42.64,40.81 42.66,40.84 42.67,40.87 42.67,40.91 42.68,40.94 42.68,40.98 42.69,41.01 42.69,41.05 42.68,41.08 42.68,41.12 42.67,41.15 42.67,41.18 42.66,41.22 42.64,41.25 42.63,41.28 42.62,41.31 42.6,41.34 42.58,41.37 42.56,41.4 42.54,41.43 42.51,41.46 42.49,41.48 42.46,41.5 42.43,41.52 42.4,41.54 U5.9 ; 26.82,45.63 26.78,45.65 26.76,45.66 26.74,45.66 26.71,45.67 26.68,45.68 26.63,45.68 26.62,45.68 24.95,45.73 24.93,45.73 24.9,45.73 24.87,45.74 24.85,45.74 24.82,45.75 24.79,45.76 24.78,45.77 24.75,45.78 24.72,45.8 24.71,45.81 24.68,45.83 24.66,45.84 24.64,45.86 24.62,45.88 24.6,45.9 24.58,45.94 24.56,45.96 24.55,45.98 24.53,46.01 24.47,46.16 24.45,46.19 24.44,46.22 24.42,46.26 24.4,46.28 24.38,46.31 24.36,46.34 24.33,46.37 24.31,46.39 24.28,46.41 24.26,46.44 24.23,46.46 24.2,46.48 24.17,46.5 20.09,48.8 20.07,48.81 20.03,48.82 20.01,48.83 19.99,48.84 19.96,48.85 19.93,48.85 19.88,48.86 19.87,48.86 18.18,48.9 18.16,48.91 18.12,48.91 18.1,48.91 18.08,48.92 18.04,48.93 18.02,48.94 18,48.94 17.97,48.96 17.95,48.97 17.93,48.98 17.9,49 17.88,49.02 17.87,49.03 17.84,49.06 17.83,49.08 17.8,49.11 17.79,49.13 17.77,49.16 17.76,49.19 17.75,49.22 17.74,49.23 17.73,49.27 17.73,49.29 17.73,49.34 17.72,49.36 17.72,49.67 17.73,49.69 17.73,49.73 17.73,49.75 17.74,49.77 17.75,49.81 17.76,49.83 17.77,49.87 17.78,49.88 18.1,50.51 18.1,50.51 U10.7 ; 97.51,21.14 97.29,21.88 96.58,21.59 ; 96.41,20.39 95.8,20.86 96.33,21.42 ; 77.76,60.67 77.74,60.63 77.73,60.61 77.73,60.59 77.72,60.56 77.71,60.53 77.71,60.48 77.71,60.46 77.71,60.16 77.71,60.13 77.71,60.1 77.72,60.07 77.72,60.05 77.73,60.02 77.74,60 78.03,59.26 78.03,59.25 79,59.04
  Bottom w0.2: 54.69,34.34 54.75,34.34 54.81,34.33 54.87,34.32 54.93,34.31 54.99,34.29 55.05,34.28 55.11,34.25 55.17,34.23 55.22,34.2 55.28,34.17 55.33,34.13 55.38,34.09 55.42,34.05 55.47,34.01 55.51,33.96 55.55,33.91 55.58,33.86 55.62,33.81 55.65,33.76 55.67,33.7 55.7,33.65 55.72,33.59 55.74,33.53 56.96,28.76 56.97,28.72 56.98,28.68 56.98,28.64 56.99,28.6 57,28.56 57.4,26.08 57.41,26.01 57.42,25.94 57.43,25.86 57.44,25.79 57.44,25.71 57.44,25.64 57.44,23.1 57.44,23.04 57.44,23.03 57.13,11.47 57.13,11.44 57.13,11.41 57.13,11.38 57.14,11.35 57.14,11.32 57.15,11.29 57.16,11.26 57.17,11.23 57.18,11.2 57.2,11.17 57.21,11.14 57.23,11.12 57.25,11.09 59.76,7.71 59.79,7.67 59.82,7.63 59.85,7.6 59.89,7.56 59.92,7.53 59.96,7.5 60,7.47 60.04,7.45 60.08,7.42 60.12,7.4 64.5,5.09 64.57,5.05 64.64,5 64.7,4.96 64.76,4.91 64.82,4.86 64.88,4.8 64.93,4.74 64.98,4.68 65.03,4.62 65.07,4.55 65.11,4.48 65.14,4.41 65.18,4.34 65.2,4.26 65.23,4.19 65.25,4.11 65.26,4.03 65.27,3.95 65.28,3.87 65.28,3.73 65.29,3.67 65.3,3.61 65.31,3.55 65.32,3.49 65.34,3.43 65.37,3.37 65.39,3.31 65.42,3.26 65.46,3.21 65.49,3.15 65.53,3.11 65.57,3.06 65.61,3.01 65.66,2.97 65.71,2.93 65.76,2.9 65.81,2.86 65.87,2.83 65.92,2.81 65.98,2.78 66.04,2.76 66.1,2.75 66.16,2.73 66.22,2.72 66.28,2.72 66.35,2.72 68.89,2.69 68.95,2.69 69.01,2.69 69.07,2.7 69.12,2.71 69.18,2.72 69.24,2.74 69.3,2.76 69.35,2.78 69.4,2.81 69.46,2.83 69.51,2.87 69.56,2.9 69.6,2.94 69.65,2.98 69.69,3.02 69.73,3.06 69.77,3.11 69.81,3.15 69.84,3.2 69.87,3.26 70.47,4.33 70.5,4.39 70.54,4.45 70.58,4.5 70.63,4.55 70.67,4.6 70.72,4.64 70.77,4.68 70.83,4.72 70.89,4.76 70.94,4.79 71.01,4.82 71.07,4.84 71.13,4.86 71.2,4.88 71.26,4.89 71.33,4.9 71.39,4.9 71.46,4.9 71.53,4.9 71.59,4.89 71.66,4.88 71.72,4.87 71.79,4.85 71.85,4.83 71.91,4.8 71.97,4.77 72.03,4.74 72.08,4.7 72.14,4.66 72.19,4.62 72.24,4.57 72.28,4.52 72.32,4.47 72.36,4.41 72.4,4.36 73.05,3.25 73.08,3.19 73.12,3.14 73.17,3.09 73.21,3.04 73.26,2.99 73.31,2.95 73.36,2.91 73.42,2.87 73.48,2.84 73.54,2.81 73.6,2.78 73.66,2.76 73.73,2.75 73.79,2.73 73.86,2.72 73.92,2.72 73.99,2.72 74.06,2.72 74.12,2.72 74.19,2.74 74.25,2.75 74.32,2.77 74.38,2.79 74.44,2.82 74.5,2.85 74.56,2.88 74.61,2.92 74.67,2.96 74.72,3.01 74.76,3.05 74.81,3.1 74.85,3.15 74.89,3.21 74.92,3.27 74.95,3.33 74.98,3.39 75,3.45 75.02,3.51 75.04,3.58 75.05,3.64 75.06,3.71 75.06,3.78 75.06,3.84 75.05,3.91 75.04,3.98 75.03,4.04 75.01,4.11 72.92,11.1 72.9,11.15 72.89,11.2 72.88,11.26 72.87,11.31 72.87,11.36 72.87,11.42 72.87,11.47 72.88,11.53 72.88,11.58 72.89,11.64 72.9,11.69 72.92,11.74 72.94,11.79 75.48,18.78 75.48,18.8 75.49,18.82 75.5,18.84 75.51,18.86 75.52,18.89 U11.19 ; 39.96,42.94 40.49,43.49 39.88,43.97 ; 54.69,34.34 54.6,34.34 54.52,34.35 54.43,34.36 54.35,34.38 54.27,34.4 54.19,34.43 54.11,34.46 54.03,34.5 53.95,34.54 53.88,34.58 53.81,34.63 53.75,34.68 53.68,34.74 53.62,34.8 53.57,34.87 53.51,34.93 53.46,35 53.42,35.08 53.38,35.15 53.34,35.23 53.31,35.31 53.29,35.39 53.27,35.47 53.25,35.56 53.24,35.64 53.23,35.73 53.23,35.81 53.23,35.9 53.58,40.96 53.59,41.02 53.6,41.08 53.61,41.14 53.63,41.2 53.64,41.25 53.67,41.31 53.69,41.37 53.72,41.42 53.75,41.47 53.79,41.53 53.82,41.57 53.86,41.62 53.91,41.67 53.95,41.71 54,41.75 54.05,41.78 54.1,41.82 54.15,41.85 55.23,42.45 55.29,42.48 55.34,42.52 55.4,42.56 55.45,42.61 55.5,42.66 55.54,42.71 55.58,42.76 55.62,42.82 55.66,42.88 55.69,42.94 55.72,43 55.74,43.06 55.76,43.13 55.78,43.2 55.79,43.26 55.8,43.33 55.8,43.4 55.8,43.47 55.79,43.54 55.78,43.6 55.77,43.67 55.75,43.74 55.73,43.8 55.71,43.86 55.68,43.93 55.64,43.99 55.61,44.04 55.57,44.1 55.52,44.15 55.48,44.2 55.43,44.25 55.37,44.29 55.32,44.33 55.26,44.37 55.2,44.4 55.14,44.43 55.08,44.46 55.01,44.48 54.95,44.5 54.88,44.51 54.81,44.52 54.74,44.53 54.68,44.53 54.61,44.53 U5.9 ; 96.37,21.46 95.8,20.94 96.37,20.42 ; U8.19 R34.1 ; 76.78,20.29 76.07,20 75.85,20.74